# Altium PCB PicoHAL.pcbdoc (part 3 of 5) (continued)
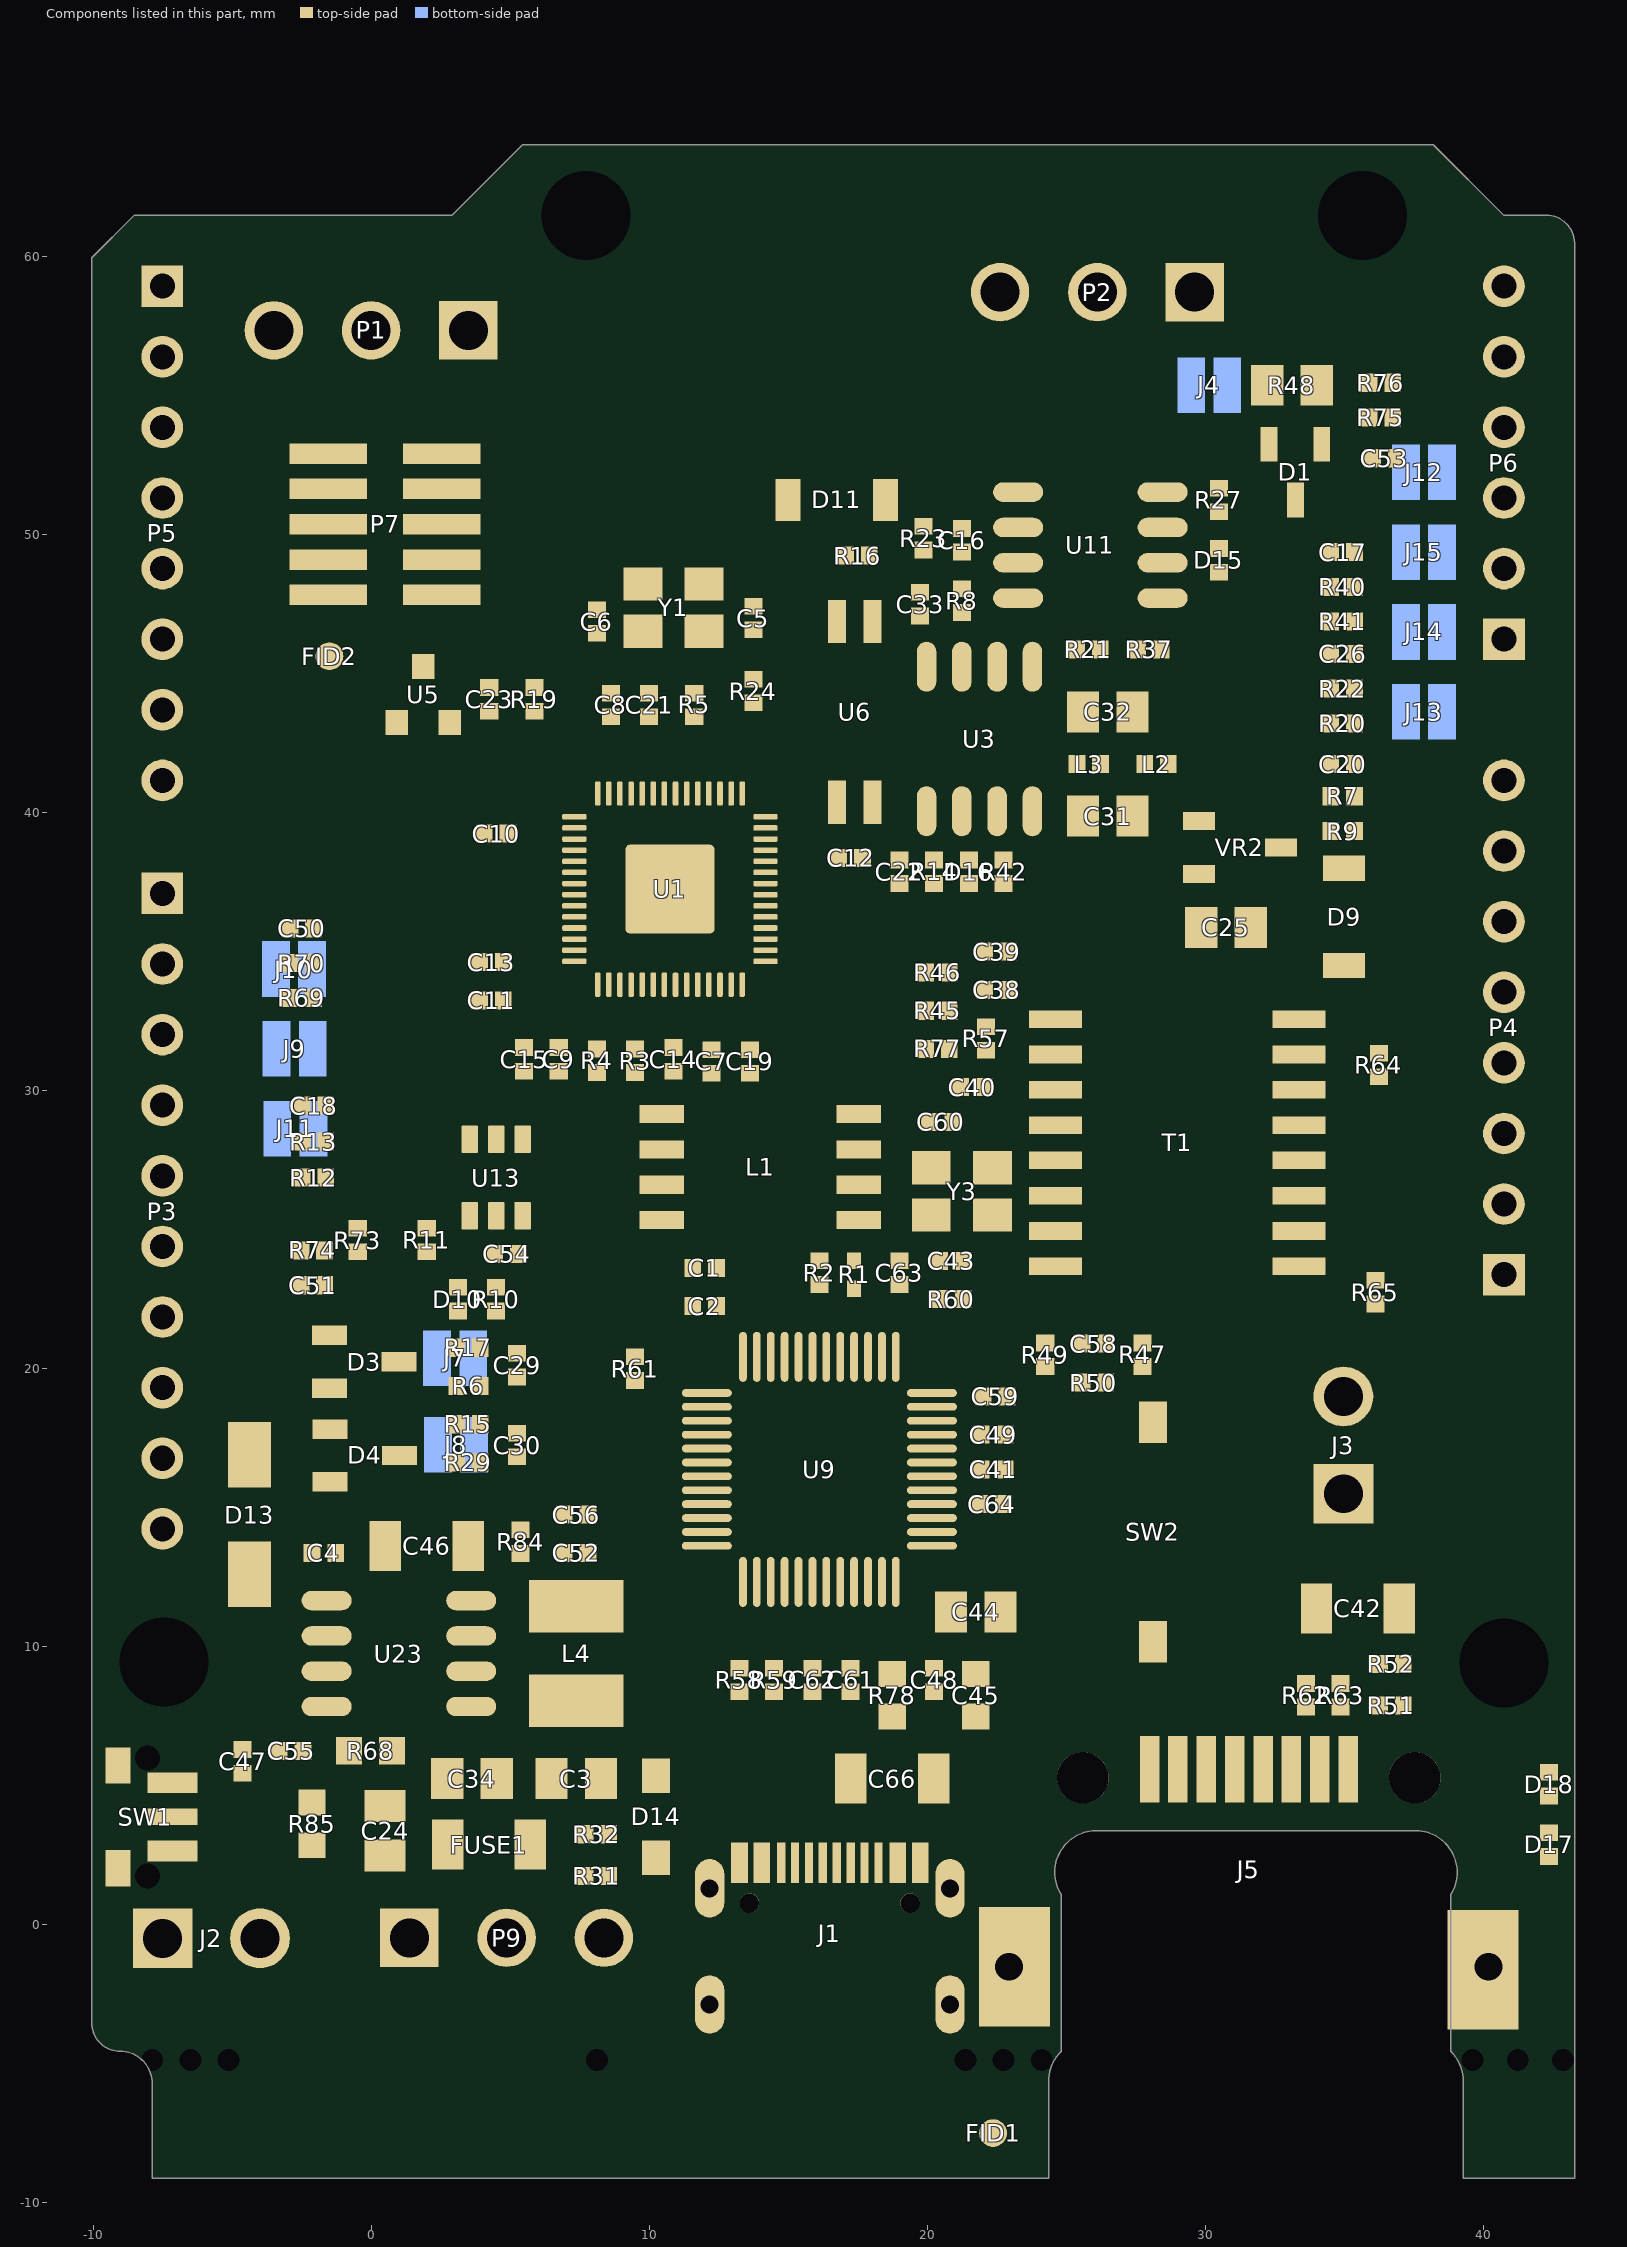
[diagram p5: the components of this part, seen from the top]
## Free pads (board coordinates) (continued)
1(15.736,41.683) 1(15.749,44.165) 1(15.749,44.165) 1(15.769,44.184) 1(15.769,44.184) 1(15.782,44.184) 1(15.782,44.184) 1(15.794,43.366) 1(15.794,43.366) 1(15.801,44.204) 1(15.801,44.204) 1(15.84,43.391) 1(15.84,43.391) 1(15.859,42.205) 1(15.859,42.205) 1(15.859,44.236) 1(15.859,44.236) 1(15.872,44.236) 1(15.872,44.236) 1(15.885,43.424) 1(15.885,43.424) 1(15.904,42.186) 1(15.904,42.186) 1(15.904,43.43) 1(15.904,43.43) 1(15.917,44.268) 1(15.917,44.268) 1(15.923,43.449) 1(15.923,43.449) 1(15.93,44.268) 1(15.93,44.268) 1(15.949,44.287) 1(15.949,44.287) 1(15.962,44.287) 1(15.962,44.287) 1(15.969,44.301) 1(15.969,44.301) 1(15.988,44.301) 1(15.988,44.301) 1(16.046,42.153) 1(16.046,42.153) 1(16.104,44.365) 1(16.104,44.365) 1(16.117,44.365) 1(16.117,44.365) 1(16.162,44.397) 1(16.162,44.397) 1(16.175,44.397) 1(16.175,44.397) 1(16.188,43.578) 1(16.188,43.578) 1(16.194,44.416) 1(16.194,44.416) 1(16.207,44.416) 1(16.207,44.416) 1(16.213,44.429) 1(16.213,44.429) 1(16.226,42.121) 1(16.226,42.121) 1(16.233,44.429) 1(16.233,44.429) 1(16.272,42.102) 1(16.272,42.102) 1(16.297,44.468) 1(16.297,44.468) 1(16.317,44.468) 1(16.317,44.468) 1(16.323,41.534) 1(16.323,41.534) 1(16.374,42.076) 1(16.374,42.076) 1(16.381,43.682) 1(16.381,43.682) 1(16.413,43.688) 1(16.413,43.688) 1(16.459,44.545) 1(16.459,44.545) 1(16.478,44.545) 1(16.478,44.545) 1(16.497,42.063) 1(16.497,42.063) 1(16.503,41.483) 1(16.503,41.483) 1(16.51,43.739) 1(16.51,43.739) 1(16.581,42.037) 1(16.581,42.037) 1(16.594,41.47) 1(16.594,41.47) 1(16.639,44.629) 1(16.639,44.629) 1(16.659,43.817) 1(16.659,43.817) 1(16.659,44.629) 1(16.659,44.629) 1(16.671,42.024) 1(16.671,42.024) 1(16.671,44.642) 1(16.671,44.642) 1(16.684,41.444) 1(16.684,41.444) 1(16.691,44.642) 1(16.691,44.642) 1(16.691,43.823) 1(16.691,43.823) 1(16.703,44.655) 1(16.703,44.655) 1(16.723,44.655) 1(16.723,44.655) 1(16.742,43.855) 1(16.742,43.855) 1(16.742,41.438) 1(16.742,41.438) 1(16.761,41.999) 1(16.761,41.999) 1(16.774,43.862) 1(16.774,43.862) 1(16.788,44.693) 1(16.788,44.693) 1(16.8,41.418) 1(16.8,41.418) 1(16.807,43.881) 1(16.807,43.881) 1(16.807,44.693) 1(16.807,44.693) 1(16.82,44.707) 1(16.82,44.707) 1(16.839,43.887) 1(16.839,43.887) 1(16.839,44.707) 1(16.839,44.707) 1(16.845,41.992) 1(16.845,41.992) 1(16.858,41.412) 1(16.858,41.412) 1(16.884,44.732) 1(16.884,44.732) 1(16.903,43.926) 1(16.903,43.926) 1(16.903,44.732) 1(16.903,44.732) 1(16.916,41.393) 1(16.916,41.393) 1(16.916,44.745) 1(16.916,44.745) 1(16.936,41.966) 1(16.936,41.966) 1(16.936,43.933) 1(16.936,43.933) 1(16.936,44.745) 1(16.936,44.745) 1(16.949,44.758) 1(16.949,44.758) 1(16.968,44.758) 1(16.968,44.758) 1(16.974,41.386) 1(16.974,41.386) 1(16.981,44.771) 1(16.981,44.771) 1(16.987,43.965) 1(16.987,43.965) 1(17,44.771) 1(17,44.771) 1(17.019,41.96) 1(17.019,41.96) 1(17.026,44.79) 1(17.026,44.79) 1(17.032,41.367) 1(17.032,41.367) 1(17.039,43.978) 1(17.039,43.978) 1(17.045,41.947) 1(17.045,41.947) 1(17.051,44.79) 1(17.051,44.79) 1(17.09,41.36) 1(17.09,41.36) 1(17.11,44.816) 1(17.11,44.816) 1(17.122,44.023) 1(17.122,44.023) 1(17.129,44.816) 1(17.129,44.816) 1(17.142,44.829) 1(17.142,44.829) 1(17.148,41.341) 1(17.148,41.341) 1(17.155,44.03) 1(17.155,44.03) 1(17.161,44.829) 1(17.161,44.829) 1(17.168,44.043) 1(17.168,44.043) 1(17.187,41.921) 1(17.187,41.921) 1(17.187,44.849) 1(17.187,44.849) 1(17.2,44.049) 1(17.2,44.049) 1(17.213,44.849) 1(17.213,44.849) 1(17.232,44.068) 1(17.232,44.068) 1(17.271,41.915) 1(17.271,41.915) 1(17.271,44.874) 1(17.271,44.874) 1(17.29,44.874) 1(17.29,44.874) 1(17.303,44.887) 1(17.303,44.887) 1(17.322,44.887) 1(17.322,44.887) 1(17.342,44.101) 1(17.342,44.101) 1(17.348,41.895) 1(17.348,41.895) 1(17.348,44.906) 1(17.348,44.906) 1(17.374,44.12) 1(17.374,44.12) 1(17.374,44.906) 1(17.374,44.906) 1(17.38,41.303) 1(17.38,41.303) 1(17.406,44.126) 1(17.406,44.126) 1(17.413,41.289) 1(17.413,41.289) 1(17.432,41.889) 1(17.432,41.889) 1(17.451,44.152) 1(17.451,44.152) 1(17.484,41.283) 1(17.484,41.283) 1(17.49,41.87) 1(17.49,41.87) 1(17.561,41.264) 1(17.561,41.264) 1(17.587,44.978) 1(17.587,44.978) 1(17.593,41.863) 1(17.593,41.863) 1(17.599,44.197) 1(17.599,44.197) 1(17.613,44.978) 1(17.613,44.978) 1(17.645,41.257) 1(17.645,41.257) 1(17.645,44.223) 1(17.645,44.223) 1(17.728,45.022) 1(17.728,45.022) 1(17.735,44.249) 1(17.735,44.249) 1(17.755,41.831) 1(17.755,41.831) 1(17.767,44.268) 1(17.767,44.268) 1(17.806,41.225) 1(17.806,41.225) 1(17.825,41.824) 1(17.825,41.824) 1(17.857,41.812) 1(17.857,41.812) 1(17.877,44.301) 1(17.877,44.301) 1(17.89,41.218) 1(17.89,41.218) 1(17.974,41.199) 1(17.974,41.199) 1(18.013,44.352) 1(18.013,44.352) 1(18.083,44.365) 1(18.083,44.365) 1(18.096,45.112) 1(18.096,45.112) 1(18.115,44.384) 1(18.115,44.384) 1(18.135,45.112) 1(18.135,45.112) 1(18.18,44.397) 1(18.18,44.397) 1(18.199,44.41) 1(18.199,44.41) 1(18.251,45.145) 1(18.251,45.145) 1(18.29,45.145) 1(18.29,45.145) 1(18.309,44.429) 1(18.309,44.429) 1(18.328,44.442) 1(18.328,44.442) 1(18.341,41.154) 1(18.341,41.154) 1(18.367,41.741) 1(18.367,41.741) 1(18.367,45.171) 1(18.367,45.171) 1(18.373,44.449) 1(18.373,44.449) 1(18.444,45.171) 1(18.444,45.171) 1(18.502,41.734) 1(18.502,41.734) 1(18.522,44.487) 1(18.522,44.487) 1(18.561,45.197) 1(18.561,45.197) 1(18.567,41.722) 1(18.567,41.722) 1(18.625,44.5) 1(18.625,44.5) 1(18.696,44.52) 1(18.696,44.52) 1(18.741,45.222) 1(18.741,45.222) 1(18.78,44.526) 1(18.78,44.526) 1(18.805,41.115) 1(18.805,41.115) 1(18.818,45.222) 1(18.818,45.222) 1(18.831,44.539) 1(18.831,44.539) 1(18.921,41.695) 1(18.921,41.695) 1(18.953,44.545) 1(18.953,44.545) 1(19.038,45.248) 1(19.038,45.248) 1(19.082,44.564) 1(19.082,44.564) 1(19.109,45.248) 1(19.109,45.248) 1(19.282,44.578) 1(19.282,44.578) 1(19.399,41.109) 1(19.399,41.109) 1(19.431,41.702) 1(19.431,41.702) 1(19.528,45.255) 1(19.528,45.255) 1(19.56,41.702) 1(19.56,41.702) 1(19.592,44.571) 1(19.592,44.571) 1(19.663,45.248) 1(19.663,45.248) 1(19.689,41.722) 1(19.689,41.722) 1(19.747,41.128) 1(19.747,41.128) 1(19.753,41.722) 1(19.753,41.722) 1(19.772,44.558) 1(19.772,44.558) 1(19.811,41.734) 1(19.811,41.734) 1(19.856,44.545) 1(19.856,44.545) 1(19.863,45.229) 1(19.863,45.229) 1(19.876,41.734) 1(19.876,41.734) 1(19.888,44.532) 1(19.888,44.532) 1(19.895,45.216) 1(19.895,45.216) 1(19.934,41.747) 1(19.934,41.747) 1(19.966,41.747) 1(19.966,41.747) 1(19.972,44.526) 1(19.972,44.526) 1(19.992,41.76) 1(19.992,41.76) 1(20.005,44.513) 1(20.005,44.513) 1(20.024,41.76) 1(20.024,41.76) 1(20.049,41.773) 1(20.049,41.773) 1(20.056,45.197) 1(20.056,45.197) 1(20.069,41.174) 1(20.069,41.174) 1(20.082,41.773) 1(20.082,41.773) 1(20.088,44.507) 1(20.088,44.507) 1(20.108,41.786) 1(20.108,41.786) 1(20.146,41.786) 1(20.146,41.786) 1(20.146,44.487) 1(20.146,44.487) 1(20.172,41.799) 1(20.172,41.799) 1(20.178,45.164) 1(20.178,45.164) 1(20.191,41.206) 1(20.191,41.206) 1(20.205,41.799) 1(20.205,41.799) 1(20.205,44.481) 1(20.205,44.481) 1(20.224,41.812) 1(20.224,41.812) 1(20.249,41.212) 1(20.249,41.212) 1(20.256,41.812) 1(20.256,41.812) 1(20.301,45.145) 1(20.301,45.145) 1(20.307,44.455) 1(20.307,44.455) 1(20.314,41.831) 1(20.314,41.831) 1(20.346,44.436) 1(20.346,44.436) 1(20.359,41.844) 1(20.359,41.844) 1(20.359,45.119) 1(20.359,45.119) 1(20.378,41.844) 1(20.378,41.844) 1(20.391,41.857) 1(20.391,41.857) 1(20.411,44.423) 1(20.411,44.423) 1(20.417,41.857) 1(20.417,41.857) 1(20.417,45.112) 1(20.417,45.112) 1(20.43,41.257) 1(20.43,41.257) 1(20.456,41.876) 1(20.456,41.876) 1(20.462,44.397) 1(20.462,44.397) 1(20.475,41.876) 1(20.475,41.876) 1(20.527,41.902) 1(20.527,41.902) 1(20.533,45.068) 1(20.533,45.068) 1(20.54,41.296) 1(20.54,41.296) 1(20.546,41.902) 1(20.546,41.902) 1(20.572,44.365) 1(20.572,44.365) 1(20.578,41.921) 1(20.578,41.921) 1(20.597,41.921) 1(20.597,41.921) 1(20.611,41.934) 1(20.611,41.934) 1(20.624,44.339) 1(20.624,44.339) 1(20.63,41.934) 1(20.63,41.934) 1(20.643,45.035) 1(20.643,45.035) 1(20.649,41.335) 1(20.649,41.335) 1(20.656,41.953) 1(20.656,41.953) 1(20.675,41.953) 1(20.675,41.953) 1(20.675,44.326) 1(20.675,44.326) 1(20.682,45.01) 1(20.682,45.01) 1(20.688,44.313) 1(20.688,44.313) 1(20.694,41.36) 1(20.694,41.36) 1(20.72,44.307) 1(20.72,44.307) 1(20.726,41.367) 1(20.726,41.367) 1(20.753,41.386) 1(20.753,41.386) 1(20.753,44.99) 1(20.753,44.99) 1(20.785,41.393) 1(20.785,41.393) 1(20.797,41.405) 1(20.797,41.405) 1(20.83,41.412) 1(20.83,41.412) 1(20.836,44.242) 1(20.836,44.242) 1(20.868,44.236) 1(20.868,44.236) 1(20.894,42.07) 1(20.894,42.07) 1(20.907,42.07) 1(20.907,42.07) 1(20.914,44.21) 1(20.914,44.21) 1(20.926,42.089) 1(20.926,42.089) 1(20.939,42.089) 1(20.939,42.089) 1(20.946,42.102) 1(20.946,42.102) 1(20.952,41.476) 1(20.952,41.476) 1(20.959,42.102) 1(20.959,42.102) 1(20.959,44.184) 1(20.959,44.184) 1(20.959,44.881) 1(20.959,44.881) 1(20.965,42.115) 1(20.965,42.115) 1(20.978,44.165) 1(20.978,44.165) 1(20.978,42.115) 1(20.978,42.115) 1(20.984,42.128) 1(20.984,42.128) 1(20.997,41.509) 1(20.997,41.509) 1(20.997,42.128) 1(20.997,42.128) 1(21.004,42.141) 1(21.004,42.141) 1(21.004,44.855) 1(21.004,44.855) 1(21.01,44.152) 1(21.01,44.152) 1(21.017,41.515) 1(21.017,41.515) 1(21.017,42.141) 1(21.017,42.141) 1(21.023,42.153) 1(21.023,42.153) 1(21.036,42.153) 1(21.036,42.153) 1(21.049,42.173) 1(21.049,42.173) 1(21.055,44.126) 1(21.055,44.126) 1(21.055,44.822) 1(21.055,44.822) 1(21.062,41.547) 1(21.062,41.547) 1(21.062,42.173) 1(21.062,42.173) 1(21.062,44.113) 1(21.062,44.113) 1(21.068,42.186) 1(21.068,42.186) 1(21.081,41.554) 1(21.081,41.554) 1(21.081,42.186) 1(21.081,42.186) 1(21.081,44.107) 1(21.081,44.107) 1(21.094,42.205) 1(21.094,42.205) 1(21.101,41.573) 1(21.101,41.573) 1(21.101,44.087) 1(21.101,44.087) 1(21.101,44.803) 1(21.101,44.803) 1(21.107,42.205) 1(21.107,42.205) 1(21.113,42.218) 1(21.113,42.218) 1(21.12,41.58) 1(21.12,41.58) 1(21.126,42.218) 1(21.126,42.218) 1(21.126,44.778) 1(21.126,44.778) 1(21.139,41.599) 1(21.139,41.599) 1(21.139,42.237) 1(21.139,42.237) 1(21.145,44.068) 1(21.145,44.068) 1(21.152,42.237) 1(21.152,42.237) 1(21.152,44.055) 1(21.152,44.055) 1(21.159,42.25) 1(21.159,42.25) 1(21.172,41.612) 1(21.172,41.612) 1(21.172,42.25) 1(21.172,42.25) 1(21.172,44.049) 1(21.172,44.049) 1(21.184,42.27) 1(21.184,42.27) 1(21.191,41.631) 1(21.191,41.631) 1(21.197,42.27) 1(21.197,42.27) 1(21.197,44.023) 1(21.197,44.023) 1(21.197,44.745) 1(21.197,44.745) 1(21.21,41.638) 1(21.21,41.638) 1(21.217,44.016) 1(21.217,44.016) 1(21.223,42.302) 1(21.223,42.302) 1(21.223,44.72) 1(21.223,44.72) 1(21.23,41.657) 1(21.23,41.657) 1(21.236,42.302) 1(21.236,42.302) 1(21.242,43.991) 1(21.242,43.991) 1(21.242,44.713) 1(21.242,44.713) 1(21.249,41.663) 1(21.249,41.663) 1(21.255,41.676) 1(21.255,41.676) 1(21.262,43.984) 1(21.262,43.984) 1(21.268,42.34) 1(21.268,42.34) 1(21.268,44.687) 1(21.268,44.687) 1(21.274,41.683) 1(21.274,41.683) 1(21.281,41.695) 1(21.281,41.695) 1(21.281,42.34) 1(21.281,42.34) 1(21.288,44.681) 1(21.288,44.681) 1(21.288,43.959) 1(21.288,43.959) 1(21.301,41.702) 1(21.301,41.702) 1(21.307,42.372) 1(21.307,42.372) 1(21.307,43.952) 1(21.307,43.952) 1(21.313,41.722) 1(21.313,41.722) 1(21.313,44.655) 1(21.313,44.655) 1(21.32,42.372) 1(21.32,42.372) 1(21.333,41.728) 1(21.333,41.728) 1(21.333,44.649) 1(21.333,44.649) 1(21.345,43.914) 1(21.345,43.914) 1(21.352,41.754) 1(21.352,41.754) 1(21.352,44.623) 1(21.352,44.623) 1(21.365,43.907) 1(21.365,43.907) 1(21.371,41.76) 1(21.371,41.76) 1(21.371,43.894) 1(21.371,43.894) 1(21.371,44.616) 1(21.371,44.616) 1(21.391,43.887) 1(21.391,43.887) 1(21.397,41.792) 1(21.397,41.792) 1(21.397,44.584) 1(21.397,44.584) 1(21.416,41.799) 1(21.416,41.799) 1(21.416,44.578) 1(21.416,44.578) 1(21.43,43.849) 1(21.43,43.849) 1(21.436,41.824) 1(21.436,41.824) 1(21.436,44.552) 1(21.436,44.552) 1(21.449,43.843) 1(21.449,43.843) 1(21.455,41.831) 1(21.455,41.831) 1(21.455,44.545) 1(21.455,44.545) 1(21.474,43.81) 1(21.474,43.81) 1(21.481,44.52) 1(21.481,44.52) 1(21.488,42.547) 1(21.488,42.547) 1(21.494,42.547) 1(21.494,42.547) 1(21.494,43.804) 1(21.494,43.804) 1(21.5,44.513) 1(21.5,44.513) 1(21.5,42.566) 1(21.5,42.566) 1(21.513,43.778) 1(21.513,43.778) 1(21.532,43.772) 1(21.532,43.772) 1(21.559,44.449) 1(21.559,44.449) 1(21.565,42.63) 1(21.565,42.63) 1(21.571,42.63) 1(21.571,42.63) 1(21.578,42.65) 1(21.578,42.65) 1(21.578,44.442) 1(21.578,44.442) 1(21.597,43.701) 1(21.597,43.701) 1(21.603,42.676) 1(21.603,42.676) 1(21.61,42.676) 1(21.61,42.676) 1(21.616,43.694) 1(21.616,43.694) 1(21.616,42.695) 1(21.616,42.695) 1(21.636,42.714) 1(21.636,42.714) 1(21.636,43.668) 1(21.636,43.668) 1(21.642,42.714) 1(21.642,42.714) 1(21.655,42.74) 1(21.655,42.74) 1(21.655,43.662) 1(21.655,43.662) 1(21.661,42.74) 1(21.661,42.74) 1(21.668,42.759) 1(21.668,42.759) 1(21.674,42.759) 1(21.674,42.759) 1(21.687,42.785) 1(21.687,42.785) 1(21.687,43.63) 1(21.687,43.63) 1(21.694,42.785) 1(21.694,42.785) 1(21.694,43.61) 1(21.694,43.61) 1(21.694,42.07) 1(21.694,42.07) 1(21.7,42.089) 1(21.7,42.089) 1(21.7,42.805) 1(21.7,42.805) 1(21.707,42.805) 1(21.707,42.805) 1(21.72,42.83) 1(21.72,42.83) 1(21.726,42.108) 1(21.726,42.108) 1(21.726,42.83) 1(21.726,42.83) 1(21.732,42.85) 1(21.732,42.85) 1(21.732,42.128) 1(21.732,42.128) 1(21.739,42.85) 1(21.739,42.85) 1(21.752,42.876) 1(21.752,42.876) 1(21.758,42.147) 1(21.758,42.147) 1(21.758,42.876) 1(21.758,42.876) 1(21.765,42.166) 1(21.765,42.166) 1(21.765,42.895) 1(21.765,42.895) 1(21.771,42.895) 1(21.771,42.895) 1(21.784,42.92) 1(21.784,42.92) 1(21.79,42.186) 1(21.79,42.186) 1(21.79,42.92) 1(21.79,42.92) 1(21.797,44.223) 1(21.797,44.223) 1(21.797,42.205) 1(21.797,42.205) 1(21.803,44.204) 1(21.803,44.204) 1(21.816,42.966) 1(21.816,42.966) 1(21.822,42.224) 1(21.822,42.224) 1(21.822,42.966) 1(21.822,42.966) 1(21.829,42.985) 1(21.829,42.985) 1(21.829,42.243) 1(21.829,42.243) 1(21.836,42.985) 1(21.836,42.985) 1(21.836,44.178) 1(21.836,44.178) 1(21.842,44.158) 1(21.842,44.158) 1(21.842,43.005) 1(21.842,43.005) 1(21.849,42.257) 1(21.849,42.257) 1(21.849,43.005) 1(21.849,43.005) 1(21.855,42.276) 1(21.855,42.276) 1(21.855,43.024) 1(21.855,43.024) 1(21.861,43.024) 1(21.861,43.024) 1(21.868,43.043) 1(21.868,43.043) 1(21.868,44.139) 1(21.868,44.139) 1(21.868,42.282) 1(21.868,42.282) 1(21.868,43.443) 1(21.868,43.443) 1(21.874,42.302) 1(21.874,42.302) 1(21.874,44.12) 1(21.874,44.12) 1(21.874,43.043) 1(21.874,43.043) 1(21.874,43.424) 1(21.874,43.424) 1(21.881,43.062) 1(21.881,43.062) 1(21.887,42.308) 1(21.887,42.308) 1(21.887,43.062) 1(21.887,43.062) 1(21.893,42.328) 1(21.893,42.328) 1(21.9,43.095) 1(21.9,43.095) 1(21.9,44.101) 1(21.9,44.101) 1(21.907,42.334) 1(21.907,42.334) 1(21.907,43.095) 1(21.907,43.095) 1(21.907,43.398) 1(21.907,43.398) 1(21.907,44.081) 1(21.907,44.081) 1(21.913,42.353) 1(21.913,42.353) 1(21.913,43.378) 1(21.913,43.378) 1(21.919,43.127) 1(21.919,43.127) 1(21.926,43.127) 1(21.926,43.127) 1(21.932,42.372) 1(21.932,42.372) 1(21.939,42.392) 1(21.939,42.392) 1(21.939,43.159) 1(21.939,43.159) 1(21.939,43.359) 1(21.939,43.359) 1(21.945,43.159) 1(21.945,43.159) 1(21.945,43.339) 1(21.945,43.339) 1(21.958,43.191) 1(21.958,43.191) 1(21.958,42.411) 1(21.958,42.411) 1(21.965,42.431) 1(21.965,42.431) 1(21.965,43.191) 1(21.965,43.191) 1(21.971,43.32) 1(21.971,43.32) 1(21.971,44.023) 1(21.971,44.023) 1(21.978,43.301) 1(21.978,43.301) 1(21.978,44.004) 1(21.978,44.004) 1(21.984,43.237) 1(21.984,43.237) 1(21.99,43.237) 1(21.99,43.237) 1(21.997,42.476) 1(21.997,42.476) 1(22.003,42.495) 1(22.003,42.495) 1(22.003,43.984) 1(22.003,43.984) 1(22.003,43.269) 1(22.003,43.269) 1(22.01,43.269) 1(22.01,43.269) 1(22.016,42.501) 1(22.016,42.501) 1(22.022,42.521) 1(22.022,42.521) 1(22.029,43.939) 1(22.029,43.939) 1(22.036,43.92) 1(22.036,43.92) 1(22.042,42.54) 1(22.042,42.54) 1(22.048,42.56) 1(22.048,42.56) 1(22.068,42.579) 1(22.068,42.579) 1(22.074,42.598) 1(22.074,42.598) 1(22.074,43.881) 1(22.074,43.881) 1(22.08,43.862) 1(22.08,43.862) 1(22.093,43.855) 1(22.093,43.855) 1(22.1,43.836) 1(22.1,43.836) 1(22.107,42.643) 1(22.107,42.643) 1(22.113,42.663) 1(22.113,42.663) 1(22.126,43.817) 1(22.126,43.817) 1(22.132,43.797) 1(22.132,43.797) 1(22.151,43.778) 1(22.151,43.778) 1(22.177,43.733) 1(22.177,43.733) 1(22.184,43.714) 1(22.184,43.714) 1(22.203,42.837) 1(22.203,42.837) 1(22.222,43.675) 1(22.222,43.675) 1(22.235,43.714) 1(22.235,43.714) 1(22.242,43.714) 1(22.242,43.714) 1(22.248,43.746) 1(22.248,43.746) 1(22.261,42.947) 1(22.261,42.947) 1(22.28,42.934) 1(22.28,42.934) 1(22.287,42.914) 1(22.287,42.914) 1(22.3,42.908) 1(22.3,42.908) 1(22.306,42.888) 1(22.306,42.888) 1(22.319,42.882) 1(22.319,42.882) 1(22.319,43.887) 1(22.319,43.887) 1(22.326,42.862) 1(22.326,42.862) 1(22.326,43.887) 1(22.326,43.887) 1(22.332,43.92) 1(22.332,43.92) 1(22.338,42.856) 1(22.338,42.856) 1(22.338,43.92) 1(22.338,43.92) 1(22.345,42.837) 1(22.345,42.837) 1(22.364,44.01) 1(22.364,44.01) 1(22.37,42.811) 1(22.37,42.811) 1(22.377,42.791) 1(22.377,42.791) 1(22.39,42.785) 1(22.39,42.785) 1(22.39,44.062) 1(22.39,44.062) 1(22.397,44.062) 1(22.397,44.062) 1(22.403,42.753) 1(22.403,42.753) 1(22.409,44.107) 1(22.409,44.107) 1(22.416,44.107) 1(22.416,44.107) 1(22.422,42.734) 1(22.422,42.734) 1(22.422,44.139) 1(22.422,44.139) 1(22.429,42.714) 1(22.429,42.714) 1(22.429,43.327) 1(22.429,43.327) 1(22.429,44.139) 1(22.429,44.139) 1(22.435,43.32) 1(22.435,43.32) 1(22.441,44.184) 1(22.441,44.184) 1(22.448,42.695) 1(22.448,42.695) 1(22.448,43.288) 1(22.448,43.288) 1(22.448,43.359) 1(22.448,43.359) 1(22.448,44.184) 1(22.448,44.184) 1(22.455,42.676) 1(22.455,42.676) 1(22.455,44.216) 1(22.455,44.216) 1(22.455,43.391) 1(22.455,43.391) 1(22.461,44.216) 1(22.461,44.216) 1(22.467,44.249) 1(22.467,44.249) 1(22.474,44.249) 1(22.474,44.249) 1(22.48,42.65) 1(22.48,42.65) 1(22.48,43.243) 1(22.48,43.243) 1(22.48,44.281) 1(22.48,44.281) 1(22.48,43.443) 1(22.48,43.443) 1(22.487,42.63) 1(22.487,42.63) 1(22.487,43.475) 1(22.487,43.475) 1(22.487,44.281) 1(22.487,44.281) 1(22.493,44.313) 1(22.493,44.313) 1(22.499,44.313) 1(22.499,44.313) 1(22.506,42.611) 1(22.506,42.611) 1(22.506,44.345) 1(22.506,44.345) 1(22.513,42.592) 1(22.513,42.592) 1(22.513,44.345) 1(22.513,44.345) 1(22.526,42.585) 1(22.526,42.585) 1(22.526,43.159) 1(22.526,43.159) 1(22.526,43.572) 1(22.526,43.572) 1(22.526,44.397) 1(22.526,44.397) 1(22.532,43.617) 1(22.532,43.617) 1(22.532,44.397) 1(22.532,44.397) 1(22.538,42.553) 1(22.538,42.553) 1(22.538,43.127) 1(22.538,43.127) 1(22.538,44.429) 1(22.538,44.429) 1(22.545,44.429) 1(22.545,44.429) 1(22.551,43.656) 1(22.551,43.656) 1(22.551,44.462) 1(22.551,44.462) 1(22.558,43.701) 1(22.558,43.701) 1(22.558,44.462) 1(22.558,44.462) 1(22.564,44.494) 1(22.564,44.494) 1(22.57,44.494) 1(22.57,44.494) 1(22.57,42.508) 1(22.57,42.508) 1(22.57,43.082) 1(22.57,43.082) 1(22.577,42.489) 1(22.577,42.489) 1(22.59,44.552) 1(22.59,44.552) 1(22.596,44.552) 1(22.596,44.552) 1(22.603,44.584) 1(22.603,44.584) 1(22.609,44.584) 1(22.609,44.584) 1(22.616,42.437) 1(22.616,42.437) 1(22.622,42.418) 1(22.622,42.418) 1(22.628,44.649) 1(22.628,44.649) 1(22.635,44.649) 1(22.635,44.649) 1(22.641,42.399) 1(22.641,42.399) 1(22.641,43.933) 1(22.641,43.933) 1(22.648,42.379) 1(22.648,42.379) 1(22.648,42.934) 1(22.648,42.934) 1(22.648,44.693) 1(22.648,44.693) 1(22.655,42.901) 1(22.655,42.901) 1(22.655,44.693) 1(22.655,44.693) 1(22.661,44.726) 1(22.661,44.726) 1(22.667,42.36) 1(22.667,42.36) 1(22.667,44.726) 1(22.667,44.726) 1(22.674,42.34) 1(22.674,42.34) 1(22.674,44.081) 1(22.674,44.081) 1(22.687,44.771) 1(22.687,44.771) 1(22.693,42.321) 1(22.693,42.321) 1(22.693,44.771) 1(22.693,44.771) 1(22.699,42.302) 1(22.699,42.302) 1(22.706,44.172) 1(22.706,44.172) 1(22.706,44.803) 1(22.706,44.803) 1(22.719,42.282) 1(22.719,42.282) 1(22.719,42.785) 1(22.719,42.785) 1(22.725,42.753) 1(22.725,42.753) 1(22.738,44.352) 1(22.738,44.352) 1(22.738,44.849) 1(22.738,44.849) 1(22.745,42.224) 1(22.745,42.224) 1(22.751,44.849) 1(22.751,44.849) 1(22.757,44.41) 1(22.757,44.41) 1(22.757,44.861) 1(22.757,44.861) 1(22.764,42.205) 1(22.764,42.205) 1(22.764,44.468) 1(22.764,44.468) 1(22.764,42.682) 1(22.764,42.682) 1(22.77,42.186) 1(22.77,42.186) 1(22.77,42.65) 1(22.77,42.65) 1(22.777,44.494) 1(22.777,44.494) 1(22.777,44.855) 1(22.777,44.855) 1(22.79,42.166) 1(22.79,42.166) 1(22.79,44.835) 1(22.79,44.835) 1(22.796,42.147) 1(22.796,42.147) 1(22.796,44.681) 1(22.796,44.681) 1(22.809,42.141) 1(22.809,42.141) 1(22.809,42.585) 1(22.809,42.585) 1(22.816,42.121) 1(22.816,42.121) 1(22.816,42.553) 1(22.816,42.553) 1(22.828,42.115) 1(22.828,42.115) 1(22.835,42.521) 1(22.835,42.521) 1(22.841,42.489) 1(22.841,42.489) 1(22.854,42.057) 1(22.854,42.057) 1(22.861,42.463) 1(22.861,42.463) 1(22.874,42.037) 1(22.874,42.037) 1(22.88,42.018) 1(22.88,42.018) 1(22.88,42.392) 1(22.88,42.392) 1(22.899,41.999) 1(22.899,41.999) 1(22.906,41.98) 1(22.906,41.98) 1(22.919,41.973) 1(22.919,41.973) 1(22.925,41.953) 1(22.925,41.953) 1(22.925,42.302) 1(22.925,42.302) 1(22.932,42.27) 1(22.932,42.27) 1(22.957,42.218) 1(22.957,42.218) 1(22.964,42.173) 1(22.964,42.173) 1(22.977,41.902) 1(22.977,41.902) 1(22.996,42.095) 1(22.996,42.095) 1(23.009,42.018) 1(23.009,42.018) 1(23.015,41.889) 1(23.015,41.889) 1(23.022,41.992) 1(23.022,41.992) 1(23.028,41.895) 1(23.028,41.895)
  round 0 hole 0.787 unplated: 2(-7.875,-4.875) 2(-6.5,-4.875) 2(-5.125,-4.875) 2(21.375,-4.875) 2(22.75,-4.875) 2(24.125,-4.875) 2(39.621,-4.875) 2(42.879,-4.875)
  round 1.524 hole 3.2: 2(7.73,61.48) 3(35.67,61.48) 4(-7.45,9.454) 5(40.75,9.41)
  round 0 hole 0.787 slot 24.638 at 0 deg unplated: 2(8.125,-4.875)
  round 0 hole 0.787 slot 1.397 at 0 deg unplated: 2(41.25,-4.875)

## Via types
v1: diameter 0.6, hole 0.3, Top Layer to Bottom Layer, tented both sides, 266 vias
v2: diameter 0.85, hole 0.5, Top Layer to Bottom Layer, 2 vias
v3: diameter 0.85, hole 0.254, Top Layer to Bottom Layer, 1 vias